# Altium PCB QCPower Rev A.PcbDoc (part 5 of 5)
Units mm, origin at the board's own origin, x right, y up, seen from the top; angles counter-clockwise.
Board outline 70 x 65 mm, 6 copper layers (Layer 1, Layer 2, Layer 3, Layer 4, Layer 5, Layer 6), stack 1.599 mm thick; 479 components, 300 nets, 1345 pads, 1188 vias.
Unrouted connection lines stored in the file: 4.
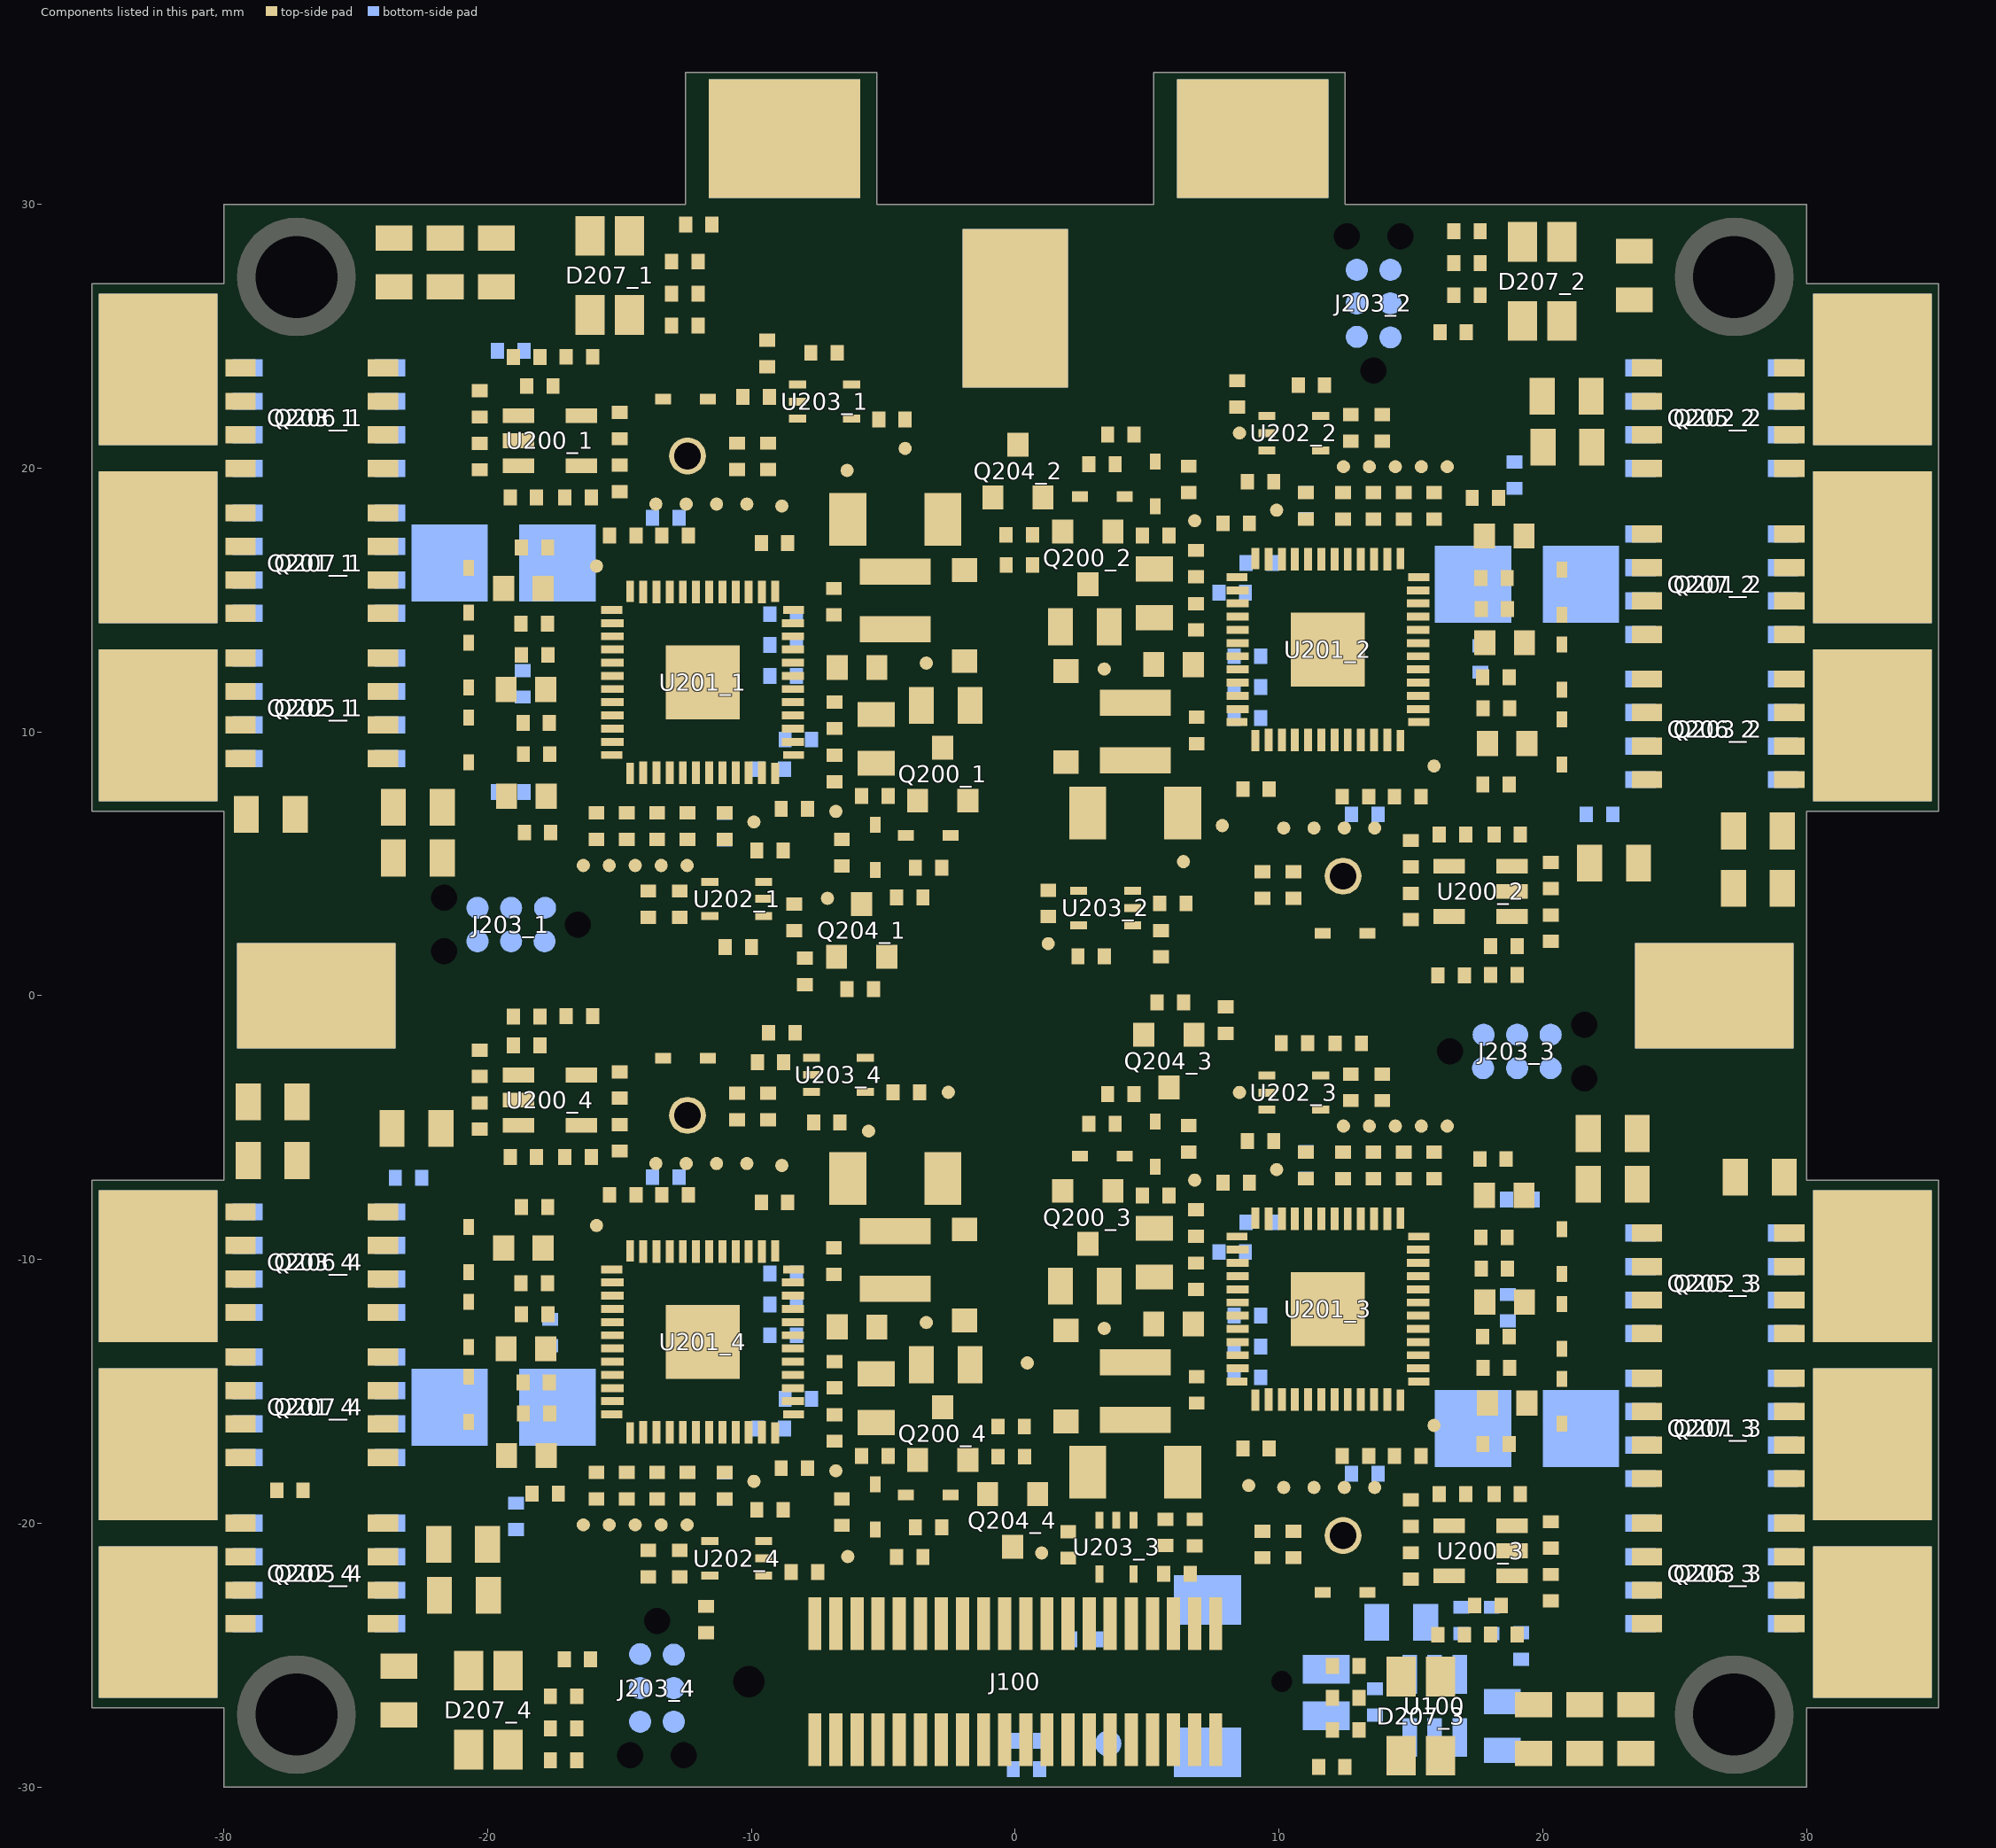
[diagram p9: the components of this part, seen from the top]

## Other copper (continued)
Layer 6:
  rectangle net NetC101_1: 10.589,-29.086 15.23,-26.751
  rectangle net VBAT: 15.621,-29.698 19.166,-27.508
  pour cut-out: -30.025,-24.525 -25.925,-25.15 -24.5,-24.525 -24.5,-7.45 -30.276,-7.45
  pour cut-out: 30,-7.75 24.5,-7.75 24.5,-24.775 30.25,-24.775
  pour cut-out: 30.025,24.575 24.525,24.575 24.525,7.55 30.275,7.55
  pour cut-out: -30,7.75 -24.5,7.75 -24.5,24.775 -30.25,24.775
  pour cut-out: 10.33,-29.086 10.49,-29.246 10.49,-29.845 11.938,-29.845 11.938,-28.931
  region net OUTU_3: 29.75,-13.125 29.675,-13.2 27.8,-13.2 27.2,-12.6 27.2,-11.075 30.25,-8.025 30.25,-7.375 31.175,-7.375 32.9,-9.1 32.9,-12.725 32.5,-13.125
  region net OUTW_3: 34.75,-20.875 30.225,-20.875 29.675,-20.325 29.675,-19.67 28.13,-19.67 27.9,-19.9 27.9,-23.505 28.595,-24.2 29.675,-24.2 30.25,-24.775 30.25,-26.625 34.75,-26.625
  region net OUTV_3: 30.25,-19.875 30.25,-19.275 29.605,-18.63 28.525,-18.63 28.525,-14.745 29.1,-14.17 29.675,-14.17 29.72,-14.125 34.75,-14.125 34.75,-17.625 32.5,-19.875
  region net OUTU_2: 32.5,20.875 30.88,20.875 29.675,19.67 28.525,19.67 28.525,24.13 28.595,24.2 29.95,24.2 30.5,24.75 31.5,24.75
  region net OUTV_2: 30.4,17.9 31.5,19 32.5,18 32.5,14.125 30.5,14.125 29.675,13.3 27.375,13.3 27.375,17.9
  region net OUTW_2: 30.25,13.125 30.25,12.905 29.745,12.4 27.375,12.4 27.375,7.8 29.675,7.8 30.1,7.375 32.5,7.375 32.5,13.125
  region net OUTW_4: -30.25,-13.125 -30.25,-12.905 -29.745,-12.4 -27.375,-12.4 -27.375,-7.8 -29.675,-7.8 -30.1,-7.375 -32.5,-7.375 -32.5,-13.125
  region net OUTV_4: -30.4,-17.9 -31.5,-19 -32.5,-18 -32.5,-14.125 -30.5,-14.125 -29.675,-13.3 -27.375,-13.3 -27.375,-17.9
  region net OUTU_4: -32.5,-20.875 -30.88,-20.875 -29.675,-19.67 -28.525,-19.67 -28.525,-24.13 -28.595,-24.2 -29.95,-24.2 -30.5,-24.75 -31.5,-24.75
  region net OUTU_1: -29.75,13.125 -29.675,13.2 -27.8,13.2 -27.2,12.6 -27.2,11.075 -30.25,8.025 -30.25,7.375 -31.175,7.375 -32.9,9.1 -32.9,12.725 -32.5,13.125
  region net OUTV_1: -30.25,19.875 -30.25,19.275 -29.605,18.63 -28.525,18.63 -28.525,14.745 -29.1,14.17 -29.675,14.17 -29.72,14.125 -34.75,14.125 -34.75,17.625 -32.5,19.875
  region net OUTW_1: -34.75,20.875 -30.225,20.875 -29.675,20.325 -29.675,19.67 -28.13,19.67 -27.9,19.9 -27.9,23.505 -28.595,24.2 -29.675,24.2 -30.25,24.775 -30.25,26.625 -34.75,26.625
  text "GND / TRACE" at -45.05,33 h1.52

## Silkscreen, mask and mechanical layers (free items; w line width, h text height)
Top Overlay:
  text "GND" at 5.75,27.15 h1.52
  text "VB+" at -9.875,26.875 h1.52
  text "M1" at -22.3,23.475 h1.52
  text "M2" at 15.625,21.6 h1.52
  text "NTC" at -26.45,-19.35 h0.76
  text "M4" at -19,-23.85 h1.52
  text "M3" at 19.625,-25.975 h1.52
Bottom Overlay:
  text "VB+" at -6.8,27.325 h1.52
  text "GND" at 11.075,27.125 h1.52
  text "VBAT" at -19.875,26.65 h1.14
  text "GND" at 24.325,26.4 h1.14
  text "M1" at -12.344,15.215 h1.52
  text "M2" at 15.088,14.326 h1.52
  text "QCPower Rev A" at 9.975,1.2 h1.52
  text "Brandon Riches" at 10.61,-1.05 h1.52
  text "'.Print_Date'" at 7.563,-3.3 h1.52
  text "M4" at -12.217,-16.815 h1.52
  text "M3" at 15.342,-17.501 h1.52
  text "VBAT" at -20.1,-27.65 h1.14
  text "GND" at 24.325,-28.375 h1.14
Mechanical 1:
  lines w0.25: 27,30 30,30 30,27 35,27 35,7 30,7 30,-7 ; 27,30 12.5,30 12.5,35 5.25,35 5.25,30 -5.25,30 -5.25,35 -12.5,35 -12.5,30 -27,30 -30,30 -30,27 -35,27 -35,7 -30,7 -30,-7 -35,-7 -35,-27 -30,-27 -30,-30 30,-30 30,-27 35,-27 35,-7 30,-7 ; 27,30 27,30 ; 30,-7 30,-7
Top Component Outline:
  lines w0.178: -133.635,23.415 -133.31,23.415

## Text inside footprints (layer, text, board x,y; h text height)
C107: Bottom Overlay "-" at -28.8,-2.4 h0.76 r90; Top Overlay "+" at -28.7,-3.2 h0.76 r90
C108: Bottom Overlay "-" at -2.4,28.36 h0.76; Top Overlay "+" at -3.2,28.26 h0.76
C109: Bottom Overlay "-" at 28.8,2.4 h0.76 r270; Top Overlay "+" at 28.7,3.2 h0.76 r270